# Altium PCB gateway.PcbDoc (part 4 of 4) (continued)
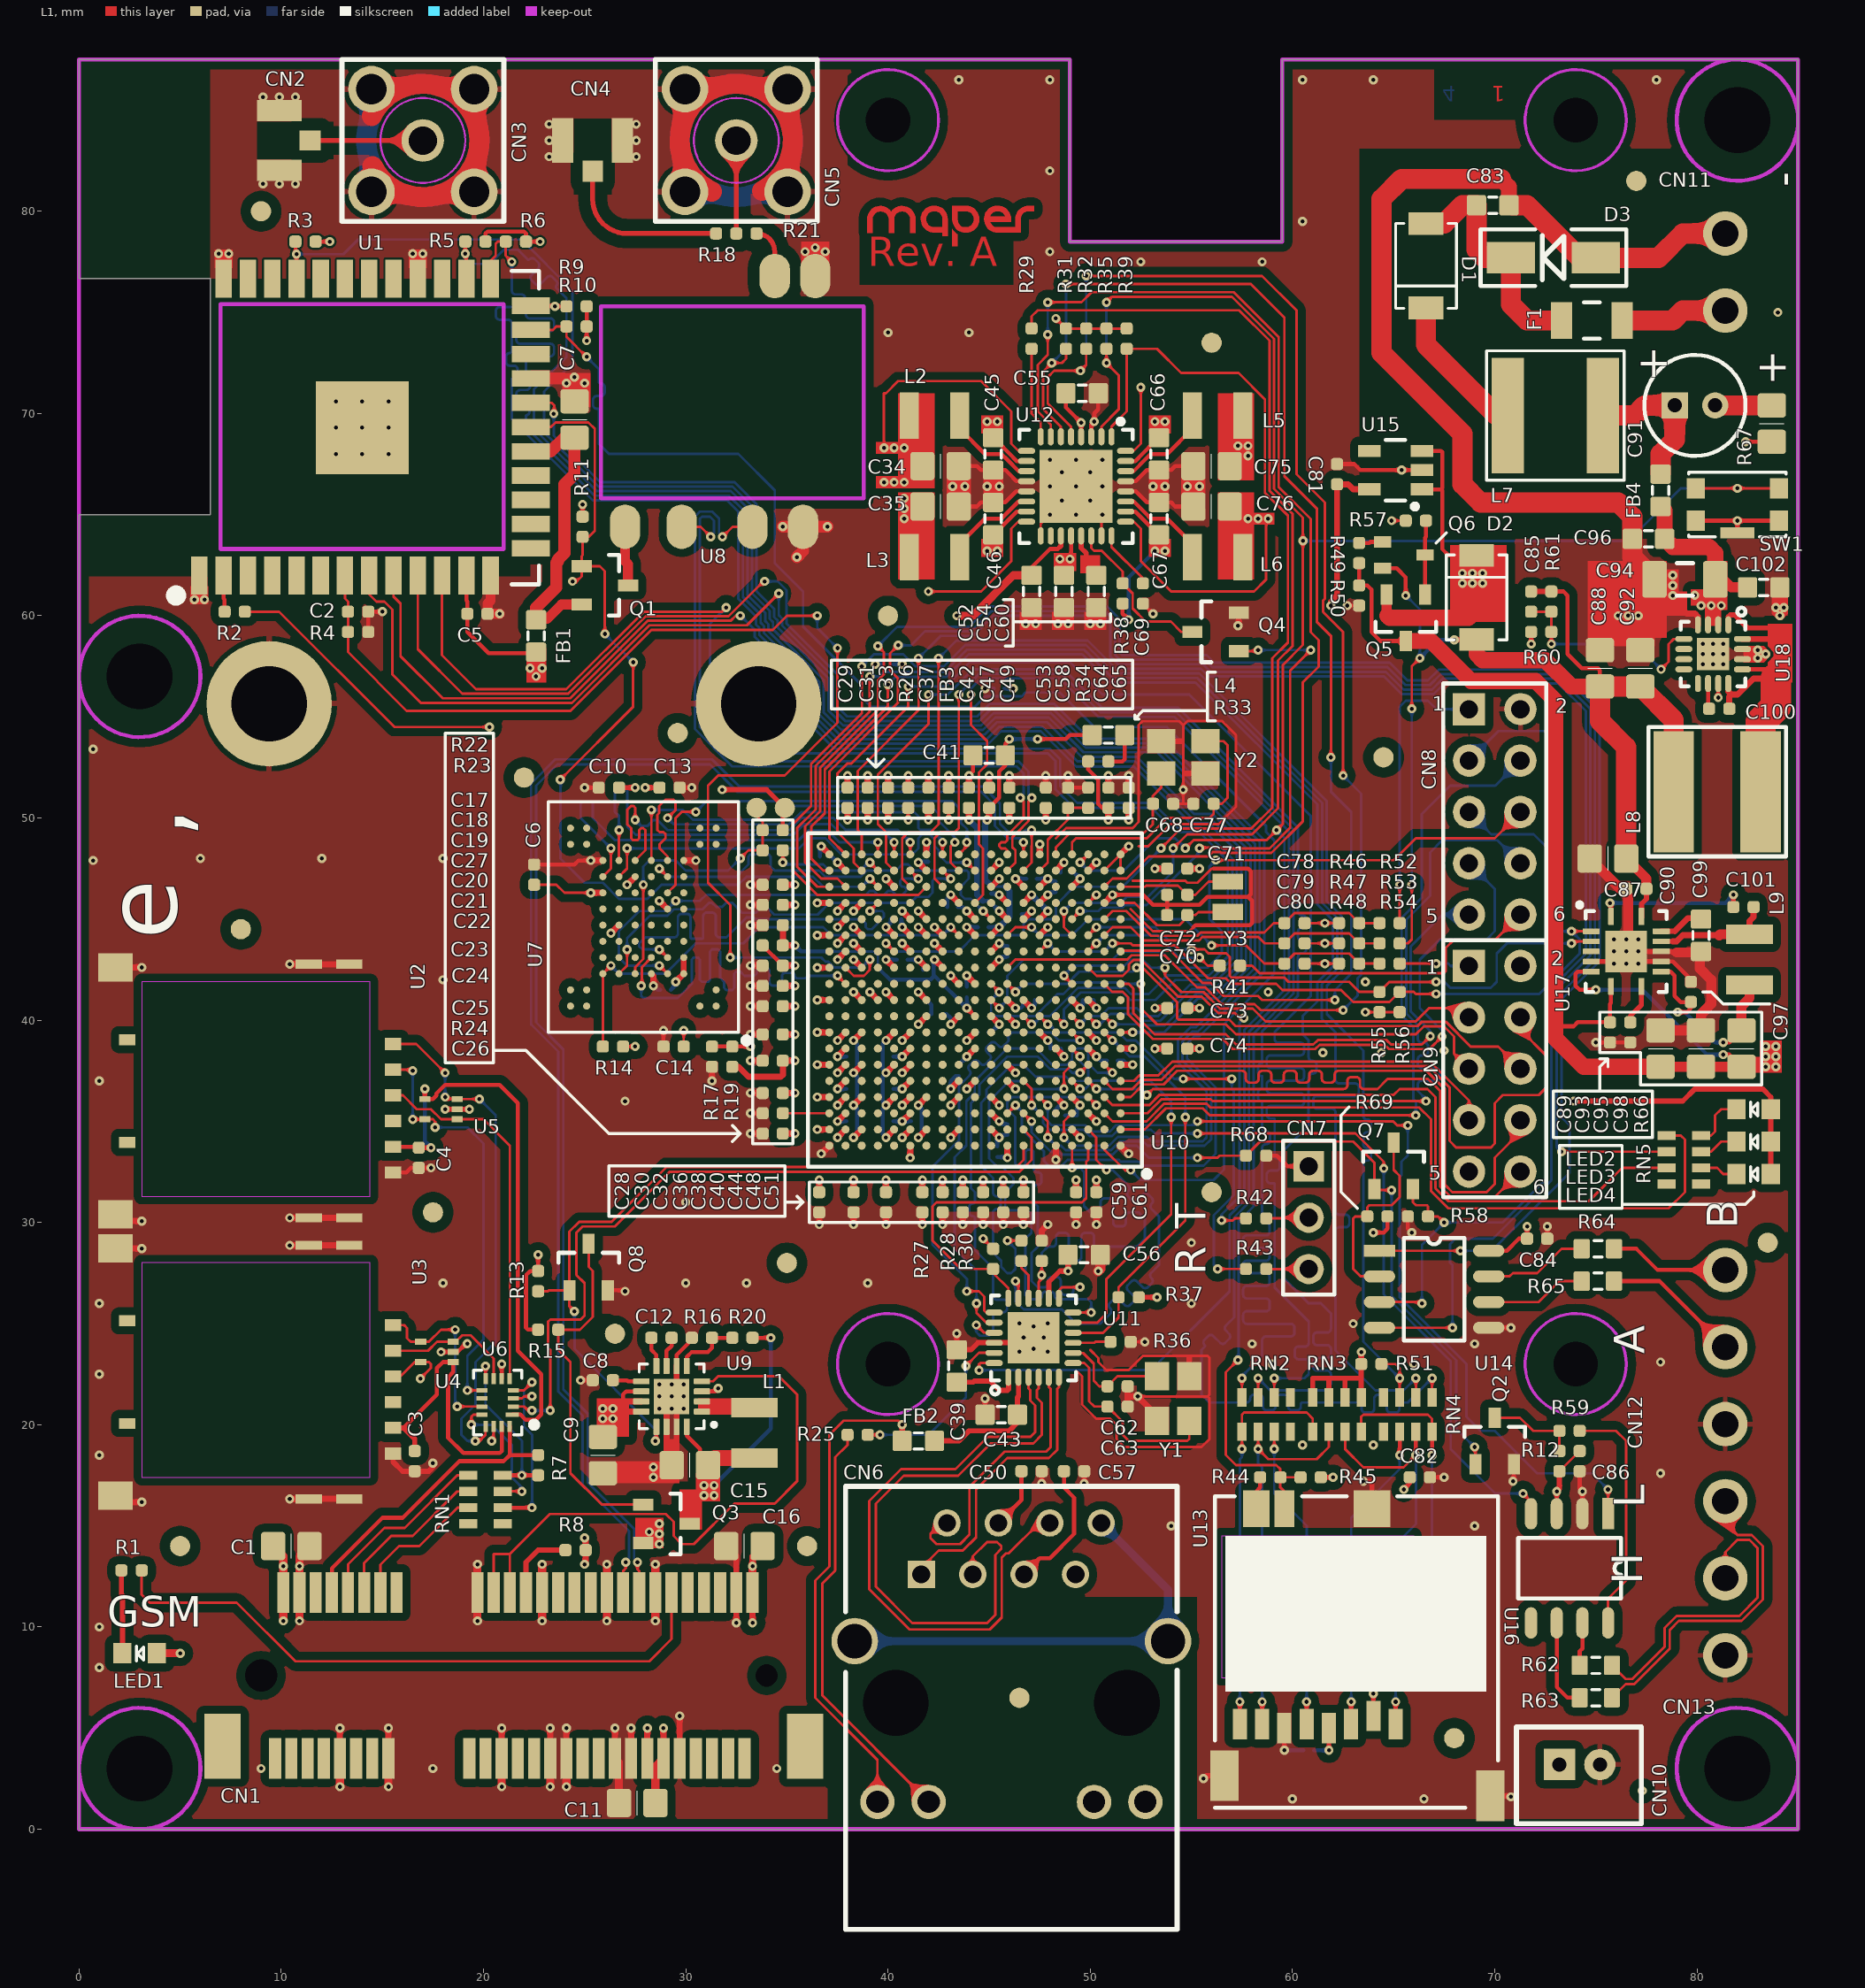
[diagram p0: L1 view]
## Nets (pads, with @x,y where several pads share a name; then routed paths per layer and width w, separated by ;. In a path a pad name is that pad's centre, name@x,y a point inside that pad or via, vN(x,y) a via of type N, cw(c..) or ccw(c..) an arc to the next point about the centre after c; other vN are vias at no path point) (continued)
  other v1: 30.9,16.5 31.4,16.5 30.9,17
  other v2: 10.1,13 33.3,13
VSYS: C9.1 C45.1 C46.1 C54.1 C55.1 C66.1 C67.1 CN9.1 D2.2 Q5.2 R38.2 R54.2 U9.3 U9.10 U9.11 U9.12 U12.4 U12.10 U12.15 U12.20 U12.26 U12.31 U15.1 U15.3 | length 41
  L1 w0.125: R54.2@65.275,42.8 R54.2@65.3,42.8 v1(67.1,42.8)
  L1 w0.2: 26.9,21.2 26.9,21.5 27.05,21.65 U9.10@27.8,21.65 ; U9.3@30.8,21.65 31.45,21.65 v1(31.6,21.8) ; C46.1@45.2,64 45.226,64 46.2,64.974 46.2,64.976 46.374,65.15 U12.15@46.85,65.15 ; C45.1@45.2,68.8 45.226,68.8 46.2,67.826 46.2,67.824 46.374,67.65 U12.10@46.85,67.65 ; C55.1@48.8,71 48.8,70.3 v1(49.55,69.55) U12.4@49.55,68.85 ; v1(49,62.8) 49.05,62.85 U12.20@49.05,63.95 ; R38.2@51.6,60.6 51.6,60.1 v1(51.9,59.8) ; U12.26@51.75,65.15 52.226,65.15 52.4,64.976 52.4,64.974 53.374,64 C67.1@53.4,64 ; U12.31@51.75,67.65 52.226,67.65 52.4,67.824 52.4,67.826 53.374,68.8 C66.1@53.4,68.8 ; U15.1@66.4,66.25 67.35,66.25 ; U15.3@66.4,68.15 67.35,68.15 67.4,68.1 67.4,66.3 67.35,66.25 ; D2.2@69.1,62.98 67.72,62.98 67.4,63.3 67.4,66.2 67.35,66.25
  L1 w0.3: 27.1,20.65 U9.12@27.8,20.65 ; 27.1,21.15 U9.11@27.8,21.15
  L1 w0.5: Q5.2@64.65,61.05 64.65,60.05 64.7,60
  L1 w0.8: 64.7,60 64.8,59.9 68.7,59.9 69.1,60.3 D2.2@69.1,62.98
  L4 w0.125: v1(67.1,42.8) 67.7,42.8 67.82,42.68 CN9.1@68.73,42.68
  L4 w0.2: v1(51.9,59.8) 51.9,61.9 v1(53.2,63.2)
  other v1: 25.9,20.3 26.4,20.3 25.9,20.8 26.4,20.8 68.4,61.6 68.9,61.6 69.4,61.6 68.4,62.1 68.9,62.1 69.4,62.1 48.5,62.8 44.9,63.2 45.4,63.2 53.7,63.2 44.9,69.6 45.4,69.6 53.2,69.6 53.7,69.6
WIFI_CE/RTL8188_nCE: Q1.1 R11.1 U1.19 U10.U16 | length 46.7
  L1 w0.125: U1.19@22.33,69.33 23.33,69.33 23.563,69.563 25.189,69.563 25.5,69.252 25.5,64.2 25.2,63.9 R11.1@24.9,63.9 24.9,63 24.85,62.95 Q1.1@24.85,62.45 ; v1(23.8,51.9) 27.4,55.5 v1(27.4,57.7) ; v1(24.4,61.7) 24.6,61.7 24.85,61.95 Q1.1@24.85,62.45 ; v1(26,59.1) 26,62.2 25.75,62.45 Q1.1@24.85,62.45 ; v1(39.1,47) U10.U16@39.5,46.6
  L4 w0.125: v1(23.8,51.9) 23.812,51.888 23.812,47.988 25,46.8 25.9,46.8 26.7,46 28.1,46 28.8,46.7 32.6,46.7 33,47.1 36.3,47.1 36.8,46.6 38.7,46.6 v1(39.1,47) ; v1(26,59.1) v1(27.4,57.7)
WIFI_INT: R3.2 U1.33 U10.H1 | length 86
  L1 w0.125: R3.2@10.7,78.5 10.7,77.93 v1(10.75,77.88) U1.33@10.75,76.67 ; U10.H1@51.5,39.4 v1(52.1,39.4)
  L4 w0.125: v1(10.75,77.88) 13.08,77.88 13.8,78.6 21.875,78.6 24.4,76.075 24.4,72.482 23,71.082 23,69.064 25.68,66.384 32.317,66.384 33.275,65.426 33.275,61.117 34.15,60.242 34.15,59.842 34.312,59.68 34.312,59.333 36.825,56.82 36.825,55.22 37.695,54.35 44.695,54.35 45.308,54.963 47.956,54.963 49.668,53.25 53.305,53.25 57.925,48.63 57.925,42.68 56.331,41.085 55.337,41.085 53.652,39.4 v1(52.1,39.4)
WIFI_MISO: R9.2 U1.24 U10.J3 | length 79.4
  L1 w0.125: U1.24@22.33,75.33 23.5,75.33 v1(23.53,75.3) R9.2@24.1,75.3 ; U10.J3@49.9,40.2 v1@50.298,39.802
  L4 w0.125: v1(23.53,75.3) 22.4,75.3 22.1,75 22.1,74.9 22.1,74.887 ccw(c22.287,74.887) 22.287,74.7 23.3,74.7 cw(c23.3,74.512) 23.488,74.512 23.488,74.262 cw(c23.3,74.262) 23.3,74.075 22.1,74.075 21.812,74.075 ccw(c21.812,73.887) 21.625,73.887 21.625,73.637 ccw(c21.812,73.637) 21.812,73.45 22.1,73.45 23.3,73.45 cw(c23.3,73.262) 23.488,73.262 23.488,73.012 cw(c23.3,73.012) 23.3,72.825 22.287,72.825 ccw(c22.287,72.637) 22.1,72.637 22.1,72.512 22.1,72.412 22.1,71.787 22.116,71.787 cw(c22.116,71.6) 22.303,71.6 22.303,71.35 cw(c22.116,71.35) 22.116,71.162 22.1,71.162 21.812,71.162 ccw(c21.812,70.975) 21.625,70.975 21.625,70.725 ccw(c21.812,70.725) 21.812,70.537 22.1,70.537 cw(c22.1,70.362) 22.275,70.362 22.275,70.088 cw(c22.1,70.088) 22.1,69.912 22.1,69.6 22.1,69.327 25.493,65.934 32.131,65.934 32.825,65.24 32.825,60.931 33.7,60.056 33.7,59.656 33.862,59.494 33.862,59.147 36.375,56.634 36.375,55.034 37.509,53.9 44.882,53.9 45.494,54.513 47.654,54.513 49.366,52.8 52.218,52.8 55.043,49.975 55.943,49.975 57.475,48.443 57.475,42.866 56.145,41.535 55.02,41.535 53.46,39.975 52.507,39.975 52.164,40.318 51,40.318 50.484,39.802 v1(50.3,39.802)
WIFI_MOSI: R5.2 U1.26 U10.J2 | length 79.7
  L1 w0.125: R5.2@19.1,78.5 v1(19.1,77.9) 19.15,77.85 U1.26@19.15,76.67 ; U10.J2@50.7,40.2 v1(51.1,39.8)
  L4 w0.125: v1(19.1,77.9) 19.1,77.6 19.3,77.4 20.3,77.4 21,78.1 21.7,78.1 22,77.8 22.175,77.625 ccw(c22.221,77.671) 22.267,77.625 cw(c22.399,77.492) 22.532,77.625 22.709,77.448 cw(c22.576,77.316) 22.709,77.183 22.663,77.137 22.38,76.854 ccw(c22.513,76.722) 22.38,76.589 22.557,76.412 ccw(c22.689,76.545) 22.822,76.412 23.105,76.695 23.151,76.741 cw(c23.283,76.608) 23.416,76.741 23.593,76.564 cw(c23.46,76.432) 23.593,76.299 ccw(c23.639,76.253) 23.593,76.207 23.6,76.2 24.1,75.7 24.1,72.8 22.5,71.2 22.5,69.245 25.586,66.159 32.224,66.159 33.05,65.333 33.05,61.024 33.925,60.149 33.925,59.749 34.087,59.587 34.087,59.24 36.6,56.727 36.6,55.127 37.602,54.125 44.789,54.125 45.401,54.738 47.862,54.738 49.575,53.025 52.311,53.025 55.136,50.2 56.036,50.2 57.7,48.536 57.7,42.773 56.238,41.31 55.244,41.31 53.684,39.75 52.414,39.75 52.364,39.8 v1(51.1,39.8)
WIFI_nCS: R6.2 U1.25 U10.J4 | length 78.9
  L1 w0.125: U1.25@20.35,76.67 20.35,77.55 20.6,77.8 20.6,78.4 20.7,78.5 R6.2@21.1,78.5 21.1,77.8 v1(21.4,77.5) ; U10.J4@49.1,40.2 v1@49.498,39.802
  L4 w0.125: v1(21.4,77.5) 21.4,76.075 ccw(c21.588,76.075) 21.588,75.888 21.867,75.888 cw(c21.867,75.7) 22.054,75.7 22.054,75.45 cw(c21.867,75.45) 21.867,75.263 20.8,75.263 ccw(c20.8,75.075) 20.612,75.075 20.612,74.825 ccw(c20.8,74.825) 20.8,74.638 21.213,74.638 cw(c21.213,74.45) 21.4,74.45 21.4,73.3 21.4,73.088 cw(c21.3,73.088) 21.3,72.988 ccw(c21.3,72.8) 21.112,72.8 21.112,72.55 ccw(c21.3,72.55) 21.3,72.363 21.4,72.363 21.5,72.363 cw(c21.5,72.175) 21.688,72.175 21.688,71.925 cw(c21.5,71.925) 21.5,71.738 21.438,71.738 ccw(c21.438,71.7) 21.4,71.7 21.4,69.709 25.4,65.709 32.038,65.709 32.6,65.147 32.6,60.838 33.475,59.963 33.475,59.563 33.637,59.4 33.637,59.053 36.15,56.541 36.15,54.941 37.416,53.675 44.975,53.675 45.588,54.288 47.561,54.288 49.31,52.538 52.162,52.538 54.95,49.75 55.85,49.75 57.25,48.35 57.25,42.959 56.051,41.76 54.927,41.76 53.367,40.2 52.7,40.2 52.3,40.6 50.9,40.6 50.502,40.202 49.9,40.202 v1(49.5,39.802)
WIFI_nRST: C2.1 R4.1 U1.7 U10.M18 | length 61.8
  L1 w0.125: U1.7@13.15,61.99 13.15,60.85 13.3,60.7 C2.1@13.3,60.2 R4.1@13.3,59.2 13.3,58.2 16.2,55.3 24.3,55.3 28.3,59.3 34.3,59.3 35,60 v1(36.5,60) ; v1(32.2,43.1) 32.2,45.7 31.1,46.8 31.1,51.6 31.6,52.1 34.9,52.1 37.5,54.7 v1(37.5,58.4) ; U10.M18@37.9,42.6 38.3,42.2 38.813,42.2 39.1,42.487 v1(39.1,43)
  L4 w0.125: v1(32.2,43.1) 36.7,43.1 36.9,42.9 37.052,42.9 37.339,42.612 38.712,42.612 v1(39.1,43) ; v1(36.5,60) 36.5,59.4 v1(37.5,58.4)
WIFI_SCK: R10.2 U1.23 U10.A2 | length 79.1
  L1 w0.125: U1.23@22.33,74.13 23.43,74.13 23.6,74.3 R10.2@24.1,74.3 24.1,73.8 v1(25.1,72.8) ; U10.A2@50.7,33.8 50.7,33.6 51.713,32.587 v1(52,32.587)
  L4 w0.125: v1(25.1,72.8) 25.7,72.2 25.7,71.588 ccw(c25.8,71.588) 25.8,71.488 cw(c25.8,71.3) 25.988,71.3 25.988,71.05 cw(c25.8,71.05) 25.8,70.863 25.6,70.863 ccw(c25.6,70.675) 25.412,70.675 25.412,70.425 ccw(c25.6,70.425) 25.6,70.238 25.662,70.238 cw(c25.662,70.2) 25.7,70.2 25.7,68.5 26.2,68 32.6,68 34.4,66.2 34.4,62.6 35.8,61.2 35.8,59.465 38.626,56.639 38.626,56.039 39.165,55.5 44.3,55.5 44.812,56.012 46.612,56.012 46.8,56.2 48.5,56.2 50.2,54.5 53.8,54.5 58.7,49.6 58.7,49.3 59.1,48.9 59.1,42.3 56.612,39.812 56.612,32.612 56.1,32.1 52.487,32.1 v1(52,32.587)
WKUP: U10.U2 U12.7 | length 55.9
  L1 w0.125: v1(47.9,73.9) 47.9,72.9 47.4,72.4 47.4,70.1 48.05,69.45 U12.7@48.05,68.85 ; v1(47.9,75.5) 49.565,75.5 50.065,76 57.1,76 59.316,73.784 59.316,66.366 60.9,64.782 60.9,59.182 61.289,58.793 61.289,57.489 60.5,56.7 60.5,49.82 58.955,48.275 56.473,48.275 56.436,48.312 56.054,48.312 55.842,48.1 52.9,48.1 51.8,47 51.1,47 U10.U2@50.7,46.6
  L4 w0.125: v1(47.9,73.9) v1(47.9,75.5)
WWAN_ENABLE: Q8.1 R13.2 U9.13 U10.A7 | length 39
  L1 w0.125: R13.2@22.7,26.6 23.2,26.6 23.25,26.65 Q8.1@24.25,26.65 ; v1(24.5,25.6) 24.25,25.85 Q8.1@24.25,26.65 ; 27,30.7 26.325,30.025 24.725,30.025 24.25,29.55 Q8.1@24.25,26.65 ; v1(28.5,19.2) 28.55,19.25 U9.13@28.55,19.9
  L1 w0.127: 27,30.7 29.05,32.75 46.35,32.75 46.7,33.1 U10.A7@46.7,33.8
  L4 w0.125: v1(24.5,25.6) 24.5,23.75 28.5,19.75 v1(28.5,19.2)
XIN: C68.2 U10.W5 Y2.1 | length 8.3
  L1 w0.127: U10.W5@48.3,48.2 48.3,48.55 49.024,49.274 52.674,49.274 53.1,49.7 C68.2@53.1,50.7 53.1,51.1 53.5,51.5 Y2.1@53.5,52.2
XIN32: C72.2 U10.U1 Y3.2 | length 5.8
  L1 w0.125: U10.U1@51.5,46.6 52.7,46.6 52.763,46.663 54.337,46.663 C72.2@54.8,46.2 55.2,46.2 55.85,46.85 Y3.2@56.8,46.85
XOUT: C77.2 U10.W4 Y2.3 | length 13.3
  L1 w0.125: U10.W4@49.1,48.2 49.1,48.8 49.3,49 52.8,49 53.8,50 55.9,50 56.1,50.2 C77.2@56.1,50.7 56.5,50.7 56.794,50.994 56.794,53.6 56.594,53.8 Y2.3@55.7,53.8
XOUT32: C70.2 U10.T1 Y3.1 | length 6.1
  L1 w0.125: U10.T1@51.5,45.8 52.2,45.8 53.3,44.7 54.4,44.7 54.8,45.1 C70.2@54.8,45.2 55.2,45.2 55.35,45.35 Y3.1@56.8,45.35
pads on no net: CN1. CN1.1 CN1.3 CN1.5 CN1.6 CN1.7 CN1.11 CN1.13 CN1.16 CN1.17 CN1.19 CN1.23 CN1.25 CN1.28 CN1.30 CN1.31 CN1.32 CN1.33 CN1.44 CN1.45 CN1.46 CN1.47 CN1.48 CN1.49 CN1.51 CN1.H1 CN1.H2 CN6. CN6.7 CN6.11 CN6.12 CN9.9 RN1.4 RN1.5 RN2.4 RN2.5 RN4.1 RN4.8 RN5.4 RN5.5 U1.3 U1.4 U1.5 U1.6 U1.14 U1.15 U1.16 U1.17 U1.22 U1.27 U1.29 U1.30 U1.31 U1.32 U1.34 U1.35 U2.6 U2.X1 U3.6 U3.X1 U6.10 U7.A1 U7.A2 U7.A9 U7.A10 U7.B1 U7.B9 U7.B10 U7.D6 U7.D7 U7.D8 U7.E3 U7.E4 U7.E5 U7.E6 U7.E7 U7.E8 U7.F3 U7.F4 U7.F5 U7.F6 U7.F8 U7.G3 U7.G5 U7.G6 U7.G7 U7.G8 U7.H3 U7.H5 U7.H6 U7.H7 U7.J3 U7.J5 U7.L1 U7.L2 U7.L9 U7.L10 U7.M1 U7.M2 U7.M9 U7.M10 U10.A6 U10.A9 U10.A10 U10.A11 U10.A12 U10.A13 U10.A15 U10.A16 U10.A17 U10.A18 U10.B2 U10.B5 U10.B6 U10.B8 U10.B10 U10.B12 U10.B16 U10.C5 U10.C10 U10.C11 U10.C12 U10.C13 U10.C15 U10.C16 U10.C17 U10.D7 U10.D8 U10.D10 U10.D12 U10.D16 U10.E5 U10.E6 U10.E9 U10.E12 U10.E13 U10.E15 U10.E16 U10.E17 U10.E19 U10.F5 U10.F6 U10.F7 U10.F9 U10.F10 U10.F11 U10.F12 U10.F13 U10.F16 U10.G2 U10.G6 U10.G7 U10.G8 U10.G9 U10.G11 U10.G12 U10.G13 U10.G15 U10.G16 U10.G17 U10.G19 U10.H5 U10.H7 U10.H8 U10.H9 U10.H11 U10.H12 U10.H13 U10.H16 U10.J1 U10.J12 U10.J14 U10.J15 U10.J16 U10.J17 U10.J18 U10.J19 U10.K2 U10.K5 U10.K6 U10.K10 U10.K11 U10.K12 U10.K14 U10.K18 U10.L3 U10.L5 U10.L6 U10.L7 U10.L12 U10.L13 U10.L14 U10.L15 U10.L16 U10.L19 U10.M1 U10.M2 U10.M4 U10.M5 U10.M6 U10.M7 U10.M10 U10.M11 U10.M14 U10.N2 U10.N4 U10.N5 U10.N7 U10.N8 U10.N10 U10.N11 U10.N13 U10.N16 U10.N19 U10.P1 U10.P5 U10.P7 U10.P16 U10.R1 U10.R3 U10.R5 U10.R11 U10.R12 U10.R15 U10.R16 U10.R17 U10.T4 U10.T5 U10.T9 U10.T12 U10.T13 U10.T14 U10.T15 U10.U3 U10.U5 U10.U8 U10.U10 U10.U11 U10.U17 U10.V4 U10.W2 U12.18 U15.4 U16.5 U17.4 U18.6 U18.7 U18.9
copper on no net:
  other v1: 77.3,1.9

## Polygon pours and split planes (outlines as drawn)
GND on L2/PWR "FLOOD" (solid, remove dead copper, pour order 219): 0,87.5 0,0 85,0 85,87.5
+3.3V on L2/PWR "+3.3V_L02_P215" (solid, remove dead copper, pour order 215): 11.4,79 11.4,75.62 20,75.62 20,13.7 29,13.7 29,19.7 57.666,19.7 57.666,3.7 74.3,3.7 74.3,63.5 49,63.5 49,75.62 23.5,75.62 23.5,79
GND on L2/PWR "GND_L02_P209" (solid, remove dead copper, pour order 209): 6.5,87.5 6.5,79.5 24.5,79.5 24.5,76 38,76 38,87.5
VDDCORE on L2/PWR "VDDCORE_L02_P205" (solid, remove dead copper, pour order 205): 45.1,34.6 46.2,33.5 46.2,31.8 48.2,31.8 48.2,36.1 48.5,36.1 49.8,34.8 49.8,31.8 50.9,31.8 50.9,36.5 48.9,38.5 47.5,38.5 47.5,39.236 53.4,39.236 53.4,40.9 50.7,40.9 49.5,42.1 49.5,46.9 51.1,48.5 51.1,50.7 51.1,54.5 59.1,62.5 59.1,65.1 56.3,65.1 56.3,64.3 45.3,53.3 45.3,46.8 46.5,46.8 46.5,47.8 46.108,48.192 46.108,50.4 47.8,50.4 47.8,49.4 47.8,48.9 47.4,48.9 47.4,48.3 47.8,47.9 47.8,46 47.924,46 48.2,45.724 48.2,44.952 48.148,44.9 45.8,44.9 45.8,43.5 45.8,40.1 46.6,40.1 46.6,36.294 45.1,36.294
VDD_DDR on L2/PWR "VDD_DDR_L02_P203" (solid, remove dead copper, pour order 203): 57,67.6 58.1,67.6 58.1,72.2 41.3,72.2 41.3,67.9 37.5,67.9 37.5,61 37.5,56.5 30.7,49.7 30.7,30.1 43.1,30.1 43.1,33.4 43.494,33.794 43.537,35.763 43.2,36.1 42.5,36.1 42.5,37.1 43.5,37.1 43.5,39.9 41.7,41.7 41.3,41.7 40.8,41.2 39.7,41.2 39.2,41.7 38.6,41.7 40.1,40.2 41.9,40.2 41.9,39.2 41.1,38.4 41.1,31.866 41.1,31.3 34.1,31.3 34.1,50.4 38.7,55 38.7,66.1 38.7,67.1 44.4,67.1 44.4,70.1 57,70.1
VDDIODDR on L2/PWR "VDDIODDR_L02_P199" (solid, remove dead copper, pour order 199): 41,38.5 41.8,39.3 41.8,40.1 40.033,40.1 38.533,41.6 35,41.6 35,41.8 39.5,41.8 39.5,41.594 39.794,41.3 40.4,41.3 41,41.9 41.6,41.9 43.7,39.8 43.7,36.9 42.8,36.9 42.8,36.294 43.3,36.294 43.7,35.894 43.7,33.6 43.3,33.2 43.3,31.8 45.2,31.8 45.2,32.594 44.8,32.594 44.8,36.4 46.5,36.4 46.5,40 45.6,40 45.6,42.7 42.6,42.7 42.6,44.6 41.2,46 37.1,46 37.1,49.5 42.5,54.9 42.5,64.7 41.1,66.1 38.9,66.1 38.9,55 34.3,50.4 34.3,46.913 34.3,41.8 34.3,31.5 41,31.5
VMODEM on L2/PWR "VMODEM_L02_P185" (solid, remove dead copper, pour order 185): 9.652,15.2 27,15.2 27,13.5 29.2,13.5 29.2,17.5 33.7,17.5 33.7,4.7 9.652,4.7
VSYS on L2/PWR "VSYS_L02_P207" (solid, remove dead copper, pour order 207): 25.6,19.5 27.2,19.5 35.8,19.5 35.8,17.6 55.5,17.6 55.5,0.7 71.6,0.7 71.6,6.5 76.6,6.5 76.6,44.4 85,44.4 85,60.145 85,64 62.5,64 62.5,65.2 62.5,67.4 56.8,67.4 56.8,69.9 44.6,69.9 44.6,62.9 45.7,62.9 45.7,63.363 48.2,63.363 48.2,62.5 49.3,62.5 49.3,63.363 52.9,63.363 52.9,62.9 54,62.9 54.5,62.9 56.2,64.6 56.2,65.3 59.3,65.3 59.3,61.3 81.7,61.3 81.7,54 67.9,54 67.9,41.9 71.793,41.9 71.793,36.7 74.4,36.7 74.4,10.3 67.5,10.3 67.5,3.4 57.6,3.4 57.6,19.6 38.1,19.6 38.1,23 25.6,23
VBATT on L2/PWR "VBATT_L02_P187" (solid, remove dead copper, pour order 187): 72,0.5 72,5.9 76.9,5.9 76.9,41.1 84.2,41.1 84.2,37.4 79.1,37.4 79.1,0.5
VIN_PROT on L2/PWR "VIN_PROT_L02_P211" (solid, pour order 211): 81.5,61.2 81.5,54.2 67.5,54.2 67.5,61.2
GND on L1 "FLOOD" (solid, remove dead copper, pour order 217): 0,87.5 0,0 85,0 85,87.5
GND on L1 "GND_L01_P213" (solid, pour order 213): 6.5,86.99 6.5,76.666 38,76.666 38,86.99
GND on L4 "FLOOD" (solid, remove dead copper, pour order 221): 0,87.5 0,0 85,0 85,87.5
GND on L3/GND (split plane): 84.748,0.252 0.252,0.252 0.252,61.9 6.5,61.9 6.5,64.748 6.565,64.756 6.626,64.782 6.678,64.822 6.718,64.874 6.744,64.935 6.752,65 6.752,76.666 6.744,76.731 6.718,76.792 6.678,76.844 6.626,76.884 6.565,76.91 6.5,76.918 6.5,87.248 48.748,87.248 48.748,78.5 48.756,78.435 48.782,78.374 48.822,78.322 48.874,78.282 48.935,78.256 49,78.248 59.5,78.248 59.565,78.256 59.626,78.282 59.678,78.322 59.718,78.374 59.744,78.435 59.752,78.5 59.752,87.248 84.748,87.248

## Keep-outs
L1:
  circle w0.15: c74,84.5 r2.5
  circle w0.15: c40,84.5 r2.5
  circle w0.15 net NetR65_1: c74,23 r2.5
  circle w0.15 net NetR25_2: c40,23 r2.5
  circle w0.2: c82,3 r3
  circle w0.2: c82,84.5 r3
  circle w0.2: c3,57 r3
  circle w0.2: c3,3 r3
  rectangle: 56.5,7.5 66,14.5
  rectangle: 3.1,17.4 14.4,28
  rectangle: 3.1,31.3 14.4,41.9
  lines w0.1 net RF_3G: 14.9,83.5 ccw(c17,83.5) 19.1,83.5 ccw(c17,83.5) 14.9,83.5
  lines w0.1 net RF_WIFI: 32.5,81.4 ccw(c32.5,83.5) 32.5,85.6 ccw(c32.5,83.5) 32.5,81.4
  lines w0.2: 7,63.3 21,63.3 21,75.4 7,75.4 7,63.3 ; 25.8,65.8 38.8,65.8 38.8,75.3 25.8,75.3 25.8,65.8
L2/PWR:
  lines w0.1 net RF_3G: 15.102,82.601 ccw(c17,83.5) 19.1,83.5 ccw(c17,83.5) 15.102,84.399 16,84.399 16,82.601 15.102,82.601
  lines w0.1 net RF_WIFI: 31.601,81.602 cw(c32.5,83.5) 32.5,85.6 cw(c32.5,83.5) 33.399,81.602 33.399,82.5 31.601,82.5 31.601,81.602
L4:
  circle w0.15: c40,23 r2.5
  circle w0.2: c3,3 r3
  circle w0.2: c82,3 r3
  circle w0.2: c3,57 r3
  circle w0.2: c82,84.5 r3
  circle w0.15: c74,84.5 r2.5
  circle w0.15: c40,84.5 r2.5
  circle w0.15: c74,23 r2.5
  lines w0.1: 32.5,81.4 ccw(c32.5,83.5) 32.5,85.6 ccw(c32.5,83.5) 32.5,81.4
  lines w0.1 net RF_3G: 14.9,83.5 ccw(c17,83.5) 19.1,83.5 ccw(c17,83.5) 14.9,83.5
Keep-Out Layer:
  circle w0.2: c3,3 r3
  circle w0.2: c82,3 r3
  circle w0.2: c82,84.5 r3
  circle w0.2: c3,57 r3
  lines w0.2: 0,0 85,0 85,87.5 59.5,87.5 59.5,78.5 49,78.5 49,87.5 0,87.5 0,0

## Other copper
L1:
  rectangle net VIN_PROT: 79.7,60.5 80.7,61.3
  rectangle net GND: 78.2,60.6 79.1,62.3
  rectangle net +3.3V: 39.4,68 41,68.6
  rectangle net +3.3V: 39.4,66.3 42.3,66.9
  rectangle net VBATT: 82.3,37.4 83.4,38.2
  rectangle net VBATT: 83.1,37.4 84.2,39
  region net GND: 42.9,68 42.9,65.3 44.1,65.3 44.1,68
  region net GND: 44.725,67.4 44.725,65.7 45.7,65.7 45.7,67.4
  rectangle net VDDCORE: 56.3,64.5 59.1,65.1
  region net GND: 47.6,59.3 47.6,60.2 46.5,60.2 46.5,59.3
  region net GND: 49.2,59.3 49.2,60.2 48.1,60.2 48.1,59.3
  region net GND: 50.8,59.3 50.8,60.2 49.7,60.2 49.7,59.3
  region net LDO2: 49.5,63 49.5,62.1 50.5,62.1 50.5,63
  region net VSYS: 48.2,63.1 48.2,62.2 49.3,62.2 49.3,63.1
  region net VDDIODDR: 42.3,61.8 42.3,66.1 40.5,66.1 40.5,61.8
  region net VSYS: 45.7,62.9 45.7,63.8 44.6,63.8 44.6,62.9
  region net +3.3V: 40.5,71 40.5,66.7 42.3,66.7 42.3,71
  region net VSYS: 44.6,69.9 44.6,69 45.7,69 45.7,69.9
  region net VDDCORE: 58.1,61.8 58.1,66.1 56.3,66.1 56.3,61.8
  region net VSYS: 54,62.9 54,63.8 52.9,63.8 52.9,62.9
  region net GND: 52.9,67.4 52.9,65.7 53.875,65.7 53.875,67.4
  region net GND: 54.5,68 54.5,65.3 55.7,65.3 55.7,68
  region net VSYS: 52.9,69.9 52.9,69 54,69 54,69.9
  region net VDD_DDR: 56.3,71 56.3,66.7 58.1,66.7 58.1,71
  rectangle net GND: 74.6,58.9 78.5,62.7
  rectangle net VIN_PROT: 80.4,59.5 81.2,60.3
  region net VSYS: 67.8,63.5 67.8,59.7 70.6,59.7 70.6,63.5
  region net VSYS: 27.2,21.3 25.6,21.3 25.6,19.4 27.2,19.4
  region net GND: 29.7,19.3 28.9,19.3 28.9,17.1 29.7,17.1
  region net GND: 29.7,18.2 25.3,18.2 25.3,17.1 29.7,17.1
  region net +3.3V_SW: 33.3,21.3 30.6,21.3 30.6,20.5 33.3,20.5
  region net VMODEM: 31.7,17.6 30.5,17.6 30.5,16.2 31.7,16.2
  rectangle net VMODEM: 29.7,14.8 30.8,16.8
  region net +3.3V: 27.5,15.4 27.5,13.9 28.9,13.9 28.9,15.4
  rectangle net GND: 35.7,76.8 37.1,78.5
  rectangle net +3.3V: 22.125,56.7 23.1,58.4
  rectangle net GND: 23.9,70.3 25.3,72
  rectangle net GND: 16.3,77.2 17.2,78.1
  rectangle net GND: 6.7,77.2 7.6,78.1
  region net GND: 6.4,61.46 5.5,61.46 5.5,60.56 6.4,60.56
  pour cut-out: 71,84.5 71,87.5 67,87.5 67,84.5
  pour cut-out: 59.73,33.9 59.73,31.7 61.93,31.7 61.93,33.9
  pour cut-out: 70.2,43.8 70.2,41.6 72.4,41.6 72.4,43.8
  pour cut-out: 26.35,84.6 24.45,84.6 24.45,80.8 26.35,80.8
  pour cut-out: 8.8,84.45 8.8,82.55 12.6,82.55 12.6,84.45
  region net GND: 82.3,57.7 82.3,58.5 83.3,58.5 83.6,58.2 83.6,58 83.3,57.7
  region net NetC100_1: 83.5,59.6 83.5,58.5 83.8,58.2 83.8,58 83.5,57.7 83.5,56.7 84.7,56.7 84.7,59.6
  region net VIN_PROT: 80.4,60.3 80.4,62.7 81.5,62.7 81.5,60.3
  region net GND: 75.8,61.2 79.5,61.2 79.5,60 77.9,60 77.9,58.5 74.6,58.5 74.6,59.65 75.8,59.65
  pour cut-out: 85,83.1 63.3,83.1 63.3,63.8 85,63.8
  pour cut-out: 12,84.2 12,82.8 17.675,82.8 17.675,84.2
  pour cut-out: 37,11.5 37,0.5 55.3,0.5 55.3,11.5
  region net GND: 83.7,61.1 84.5,61.1 84.5,60.1 84.2,59.8 84,59.8 83.7,60.1
  pour cut-out: 0,87.5 0,61.934 6.5,61.934 6.5,87.5
  pour cut-out: 6.5,61.934 6.5,76.666 22.33,76.666 22.33,61.934
  region: 42.684,79.206 42.283,79.206 cw(c42.283,79.603) 41.885,79.603 cw(c42.288,79.603) 42.288,80.006 42.307,80.006 cw(c42.307,79.627) 42.687,79.627 42.687,79.206 42.949,79.206 42.949,79.626 ccw(c42.307,79.626) 42.307,80.268 42.251,80.268 ccw(c42.251,79.641) 41.624,79.641 41.624,79.605 ccw(c42.286,79.605) 42.286,78.943 42.686,78.943 42.686,78.772 42.949,78.772 42.949,79.207
  region: 43.181,80.266 43.877,80.266 cw(c43.877,79.637) 44.506,79.637 44.506,79.569 cw(c43.877,79.569) 43.877,78.94 43.824,78.94 cw(c43.824,79.583) 43.181,79.583 43.181,80.003 43.443,80.003 43.443,79.583 ccw(c43.823,79.583) 43.823,79.203 43.844,79.203 ccw(c43.844,79.603) 44.244,79.603 ccw(c43.844,79.603) 43.844,80.004 43.181,80.004
  region: 38.969,78.933 38.969,79.618 cw(c39.622,79.607) 40.157,79.984 cw(c40.698,79.601) 41.361,79.621 41.365,79.618 41.365,78.933 41.099,78.933 41.099,79.618 41.101,79.619 ccw(c40.7,79.59) 40.298,79.618 40.298,78.938 40.037,78.938 40.037,79.618 ccw(c39.636,79.59) 39.234,79.618 39.234,78.933
  region: 43.181,78.272 43.446,78.272 43.446,78.858 cw(c43.769,79.447) 43.181,79.124 43.181,79.125
  region: 45.041,79.467 46.08,79.467 46.08,79.625 ccw(c45.438,79.625) 45.438,80.266 45.38,80.266 ccw(c45.38,79.64) 44.754,79.64 44.754,79.604 ccw(c45.417,79.604) 45.417,78.941 46.557,78.941 46.557,79.606 cw(c46.955,79.606) 46.955,80.004 47.223,80.004 47.223,80.265 46.986,80.265 46.958,80.265 ccw(c46.958,79.599) 46.291,79.599 46.291,79.204 45.456,79.204 45.413,79.204 cw(c45.413,79.577) 45.041,79.577 45.041,79.645 cw(c45.399,79.646) 45.399,80.004 cw(c45.439,79.683) 45.638,79.938 cw(c45.47,79.645) 45.797,79.733 45.041,79.733
  pour cut-out: 46.5,5.5 cw(c46.5,6.5) 45.5,6.5 cw(c46.5,6.5) 46.5,7.5 cw(c46.5,6.5) 47.5,6.5 cw(c46.5,6.5)
  pour cut-out: 5,13 cw(c5,14) 4,14 cw(c5,14) 5,15 cw(c5,14) 6,14 cw(c5,14)
  pour cut-out: 36,13 cw(c36,14) 35,14 cw(c36,14) 36,15 cw(c36,14) 37,14 cw(c36,14)
  pour cut-out: 17.5,29.5 cw(c17.5,30.5) 16.5,30.5 cw(c17.5,30.5) 17.5,31.5 cw(c17.5,30.5) 18.5,30.5 cw(c17.5,30.5)
  pour cut-out: 40,59 cw(c40,60) 39,60 cw(c40,60) 40,61 cw(c40,60) 41,60 cw(c40,60)
  pour cut-out: 56,72.5 cw(c56,73.5) 55,73.5 cw(c56,73.5) 56,74.5 cw(c56,73.5) 57,73.5 cw(c56,73.5)
  pour cut-out: 56,30.5 cw(c56,31.5) 55,31.5 cw(c56,31.5) 56,32.5 cw(c56,31.5) 57,31.5 cw(c56,31.5)
  pour cut-out: 29.6,53.2 cw(c29.6,54.2) 28.6,54.2 cw(c29.6,54.2) 29.6,55.2 cw(c29.6,54.2) 30.6,54.2 cw(c29.6,54.2)
  pour cut-out: 26,23.5 cw(c26,24.5) 25,24.5 cw(c26,24.5) 26,25.5 cw(c26,24.5) 27,24.5 cw(c26,24.5)
  pour cut-out: 22,51 cw(c22,52) 21,52 cw(c22,52) 22,53 cw(c22,52) 23,52 cw(c22,52)
  pour cut-out: 8,43.5 cw(c8,44.5) 7,44.5 cw(c8,44.5) 8,45.5 cw(c8,44.5) 9,44.5 cw(c8,44.5)
  pour cut-out: 68,3.5 cw(c68,4.5) 67,4.5 cw(c68,4.5) 68,5.5 cw(c68,4.5) 69,4.5 cw(c68,4.5)
  pour cut-out: 64.5,52 cw(c64.5,53) 63.5,53 cw(c64.5,53) 64.5,54 cw(c64.5,53) 65.5,53 cw(c64.5,53)
  pour cut-out: 83.5,28 cw(c83.5,29) 82.5,29 cw(c83.5,29) 83.5,30 cw(c83.5,29) 84.5,29 cw(c83.5,29)
  pour cut-out: 77,80.5 cw(c77,81.5) 76,81.5 cw(c77,81.5) 77,82.5 cw(c77,81.5) 78,81.5 cw(c77,81.5)
  pour cut-out: 35,27 cw(c35,28) 34,28 cw(c35,28) 35,29 cw(c35,28) 36,28 cw(c35,28)
  pour cut-out: 9,79 cw(c9,80) 8,80 cw(c9,80) 9,81 cw(c9,80) 10,80 cw(c9,80)
  text "1" at 70.517,86.2 h0.76 r180
  text "Rev. A" at 39,76.8 h2.5
L2/PWR:
  rectangle net GND: 13.7,82.8 15.7,84.2
  region net GND: 33.2,80.2 33.2,82.2 31.8,82.2 31.8,80.2
  pour cut-out: 25.9,82.5 24.9,82.5 24.9,81.5 25.9,81.5
  pour cut-out: 10.9,84 10.9,83 11.9,83 11.9,84
  pour cut-out: 71,84.5 71,87.5 67,87.5 67,84.5
  pour cut-out: 80,80.35 82.8,80.35 82.8,77.45 80,77.45
  pour cut-out: 59.73,33.9 59.73,31.7 61.93,31.7 61.93,33.9
  pour cut-out: 37,11.5 37,0.5 55.3,0.5 55.3,11.5
  pour cut-out: 0,87.5 0,61.934 6.5,61.934 6.5,87.5
  pour cut-out: 33.6,77.62 33.6,75.62 35.2,75.62 35.2,77.62
  text "2" at 69.9,86.2 h0.76 r180
L4:
  pour cut-out: 80,80.35 82.8,80.35 82.8,77.45 80,77.45
  pour cut-out: 59.73,33.9 59.73,31.7 61.93,31.7 61.93,33.9
  pour cut-out: 70.2,43.8 70.2,41.6 72.4,41.6 72.4,43.8
  pour cut-out: 71,84.5 71,87.5 67,87.5 67,84.5
  pour cut-out: 37,11.5 37,0.5 55.3,0.5 55.3,11.5
  pour cut-out: 0,87.5 0,61.934 6.5,61.934 6.5,87.5
  pour cut-out: 67.5,1.5 cw(c67.5,2.5) 66.5,2.5 cw(c67.5,2.5) 67.5,3.5 cw(c67.5,2.5) 68.5,2.5 cw(c67.5,2.5)
  pour cut-out: 34,31.5 ccw(c34,32.5) 35,32.5 ccw(c34,32.5) 34,33.5 ccw(c34,32.5) 33,32.5 ccw(c34,32.5)
  pour cut-out: 49,48 ccw(c49,49) 50,49 ccw(c49,49) 49,50 ccw(c49,49) 48,49 ccw(c49,49)
  text "4" at 67.4,86.2 h0.76 r180
L3/GND (plane layer: these items are gaps in the copper):
  region: 68.1,86.6 67.2,86.6 67.2,85.1 68.1,85.1
  region: 70.983,86.6 69.1,86.6 69.1,85.1 70.983,85.1
  rectangle: 37,0.5 55.3,11.5
  rectangle: 0,61.9 6.5,87.5
  pour cut-out: 33.2,81.309 ccw(c32.5,83.5) 31.8,81.309 ccw(c32.5,83.5)
  pour cut-out: 14.809,82.8 ccw(c17,83.5) 14.809,84.2 ccw(c17,83.5)
  lines w0.15: 68.4,85.4 68.9,85.4 68.5,85.8 68.7,85.8 ccw(c68.7,86) 68.9,86 ccw(c68.7,86) 68.7,86.2 68.4,86.2

## Silkscreen, mask and mechanical layers (free items; w line width, h text height)
Top Overlay:
  circle w0.3: c22.5,20 r0.15
  lines w0.15: 19.5,19.9 19.5,19.5 ; 19.5,22.3 19.5,22.7 ; 19.9,19.5 19.5,19.5 ; 19.9,22.7 19.5,22.7 ; 20.5,38.5 22.1,38.5 26.2,34.4 32.7,34.4 ; 21.5,19.5 21.9,19.5 ; 21.5,22.7 21.9,22.7 ; 21.9,19.9 21.9,19.5 ; 21.9,22.3 21.9,22.7 ; 32.3,34 32.7,34.4 ; 32.3,34.8 32.7,34.4 ; 34.9,31 35.8,31 ; 35.5,30.7 35.8,31 ; 35.5,31.3 35.8,31 ; 39,52.9 39.4,52.5 ; 39.4,55.4 39.4,52.5 ; 39.8,52.9 39.4,52.5 ; 45.7,60.8 46.2,60.8 46.2,58.5 45.8,58.5 ; 46.2,59.7 51,59.7 51,60.1 ; 52.2,55.1 52.2,54.9 ; 52.4,54.9 52.2,54.9 ; 56.2,54.8 55.8,54.8 55.8,55.3 ; 56.2,57.2 55.8,57.2 55.8,55.3 ; 62.8,35.7 62.4,35.3 62.4,31.5 63.2,30.7 ; 67.1,63.6 67.6,64.1 ; 75.2,36.5 75.2,37.7 75.6,38.1 ; 75.2,38.1 75.6,38.1 ; 75.6,37.7 75.6,38.1 ; 76.3,30.9 82.4,30.9 82.8,31.3 82.8,31.5 ; 80.3,41.4 80.7,41.4 81.3,40.8 83.6,40.8 ; 19.5,19.5 19.5,19.5 ; 19.5,22.7 19.5,22.7 ; 21.9,19.5 21.9,19.5 ; 21.9,22.7 21.9,22.7 ; 32.7,34.4 32.7,34.4 ; 52,50 52,52 ; 52,50 52,50 ; 52,50 37.5,50 37.5,52 52,52 ; 52,52 52,52 ; 52.2,54.9 52.6,55.3 55.8,55.3 ; 18.1,37.9 20.5,37.9 20.5,54.2 18.1,54.2 18.1,37.9 ; 26.2,30.3 26.2,32.8 34.9,32.8 34.9,30.3 26.2,30.3 ; 33.3,33.9 33.3,49.9 35.3,49.9 35.3,33.9 33.3,33.9 ; 36.1,30 36.1,32 47.2,32 47.2,30 37.8,30 36.1,30 ; 37.2,55.4 52.1,55.4 52.1,57.8 37.2,57.8 37.2,55.4 ; 72.9,34.2 72.9,36.5 77.8,36.5 77.8,34.2 72.9,34.2 ; 73.2,30.7 76.3,30.7 76.3,33.8 73.2,33.8 73.2,30.7 ; 75.2,38.4 77.2,38.4 77.2,36.8 83.2,36.8 83.2,40.4 75.2,40.4 75.2,38.4
  text "-" at 85,81.2 h1.5 r90
  text "+" at 82.9,71.6 h1.5
  text "," at 6.5,49 h6 r90
  text "e" at 6,44 h6 r90
  text "T" at 55.7,29.7 h1.5 r90
  text "B" at 82,29.7 h1.5 r90
  text "R" at 55.7,27.4 h1.5 r90
  text "A" at 77.4,23.5 h1.5 r90
  text "L" at 77.4,15.9 h1.5 r90
  text "H" at 77.3,12.1 h1.5 r90
  text "GSM" at 1.4,10 h1.5
Top Solder:
  region: 70.917,86.6 65.817,86.6 65.817,85.1 70.917,85.1
  region: 42.684,79.206 42.283,79.206 cw(c42.283,79.603) 41.885,79.603 cw(c42.288,79.603) 42.288,80.006 42.307,80.006 cw(c42.307,79.627) 42.687,79.627 42.687,79.206 42.949,79.206 42.949,79.626 ccw(c42.307,79.626) 42.307,80.268 42.251,80.268 ccw(c42.251,79.641) 41.624,79.641 41.624,79.605 ccw(c42.286,79.605) 42.286,78.943 42.686,78.943 42.686,78.772 42.949,78.772 42.949,79.207
  region: 43.181,80.266 43.877,80.266 cw(c43.877,79.637) 44.506,79.637 44.506,79.569 cw(c43.877,79.569) 43.877,78.94 43.824,78.94 cw(c43.824,79.583) 43.181,79.583 43.181,80.003 43.443,80.003 43.443,79.583 ccw(c43.823,79.583) 43.823,79.203 43.844,79.203 ccw(c43.844,79.603) 44.244,79.603 ccw(c43.844,79.603) 43.844,80.004 43.181,80.004
  region: 38.969,78.933 38.969,79.618 cw(c39.622,79.607) 40.157,79.984 cw(c40.698,79.601) 41.361,79.621 41.365,79.618 41.365,78.933 41.099,78.933 41.099,79.618 41.101,79.619 ccw(c40.7,79.59) 40.298,79.618 40.298,78.938 40.037,78.938 40.037,79.618 ccw(c39.636,79.59) 39.234,79.618 39.234,78.933
  region: 43.181,78.272 43.446,78.272 43.446,78.858 cw(c43.769,79.447) 43.181,79.124 43.181,79.125
  region: 45.041,79.467 46.08,79.467 46.08,79.625 ccw(c45.438,79.625) 45.438,80.266 45.38,80.266 ccw(c45.38,79.64) 44.754,79.64 44.754,79.604 ccw(c45.417,79.604) 45.417,78.941 46.557,78.941 46.557,79.606 cw(c46.955,79.606) 46.955,80.004 47.223,80.004 47.223,80.265 46.986,80.265 46.958,80.265 ccw(c46.958,79.599) 46.291,79.599 46.291,79.204 45.456,79.204 45.413,79.204 cw(c45.413,79.577) 45.041,79.577 45.041,79.645 cw(c45.399,79.646) 45.399,80.004 cw(c45.439,79.683) 45.638,79.938 cw(c45.47,79.645) 45.797,79.733 45.041,79.733
  text "Rev. A" at 39,76.8 h2.5
Bottom Solder:
  region: 70.917,86.6 65.817,86.6 65.817,85.1 70.917,85.1
Mechanical Constraints:
  circle w0.2: c3,3 r3
  circle w0.2: c82,3 r3
  circle w0.2: c82,84.5 r3
  circle w0.2: c3,57 r3
  lines w0.2: 37,20 37,87.5 77,87.5 77,20 37,20
Board Outline:
  lines w0.2: 0,0 85,0 85,87.5 59.5,87.5 59.5,78.5 49,78.5 49,87.5 0,87.5 0,76.666 6.5,76.666 6.5,71 6.5,65 0,65 0,0

## Text inside footprints (layer, text, board x,y; h text height)
C91: Top Overlay "+" at 77,71.8 h1.5
CN8: Top Overlay "6" at 72.9,44.9 h0.7; Top Overlay "5" at 66.6,44.8 h0.7; Top Overlay "2" at 73,55.2 h0.7; Top Overlay "1" at 66.9,55.3 h0.7
CN9: Top Overlay "6" at 71.9,31.4 h0.7; Top Overlay "5" at 66.75,32.1 h0.7; Top Overlay "2" at 72.8,42.7 h0.7; Top Overlay "1" at 66.6,42.3 h0.7
D1: Assembly Top "K" at 66.3,74.7 h1.02 r90; Assembly Top "A" at 66.3,79.2 h1.02 r90
D2: Assembly Top "A" at 69.4,59 h1.02 r270; Assembly Top "K" at 69.4,63.5 h1.02 r270
D3: Assembly Top "A" at 75.999,77.497 h1.02 r180; Assembly Top "K" at 70.36,77.497 h1.02 r180
LED1: Assembly Top "A" at 4.272,7.832 h1.02 r180; Assembly Top "K" at 2.5,7.8 h1.02 r180
LED2: Assembly Top "A" at 84.072,34.732 h1.02 r180; Assembly Top "K" at 82.3,34.7 h1.02 r180
LED3: Assembly Top "A" at 84.072,33.132 h1.02 r180; Assembly Top "K" at 82.3,33.1 h1.02 r180
LED4: Assembly Top "A" at 84.072,31.532 h1.02 r180; Assembly Top "K" at 82.3,31.5 h1.02 r180
U2: Assembly Top "insert" at -0.2,39.3 h1.02 r270
U3: Assembly Top "insert" at -0.2,25.4 h1.02 r270
U13: Assembly Top "ejected" at 60.08,-4.8 h0.5; Assembly Top "locked" at 60.08,-1.7 h0.5; Assembly Top "push to insert/eject" at 60.08,-0.7 h0.5